# KiCad board ENV_KB.kicad_pcb (continued)
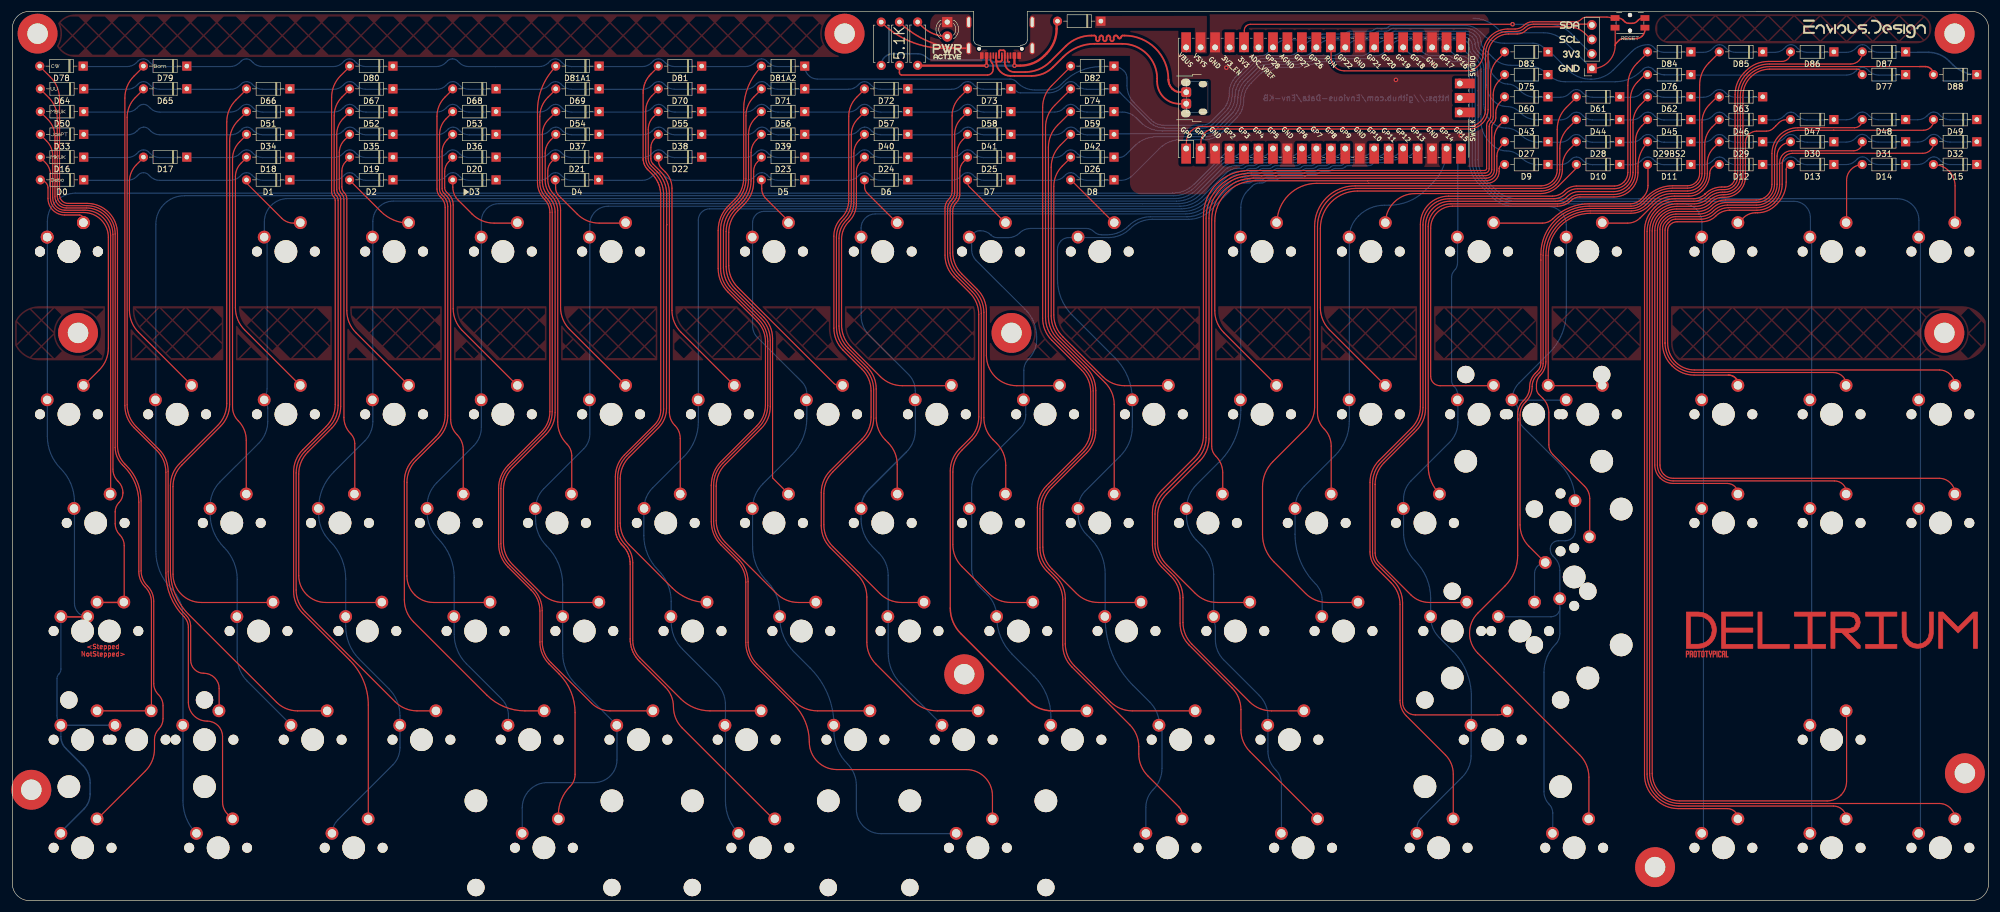
[diagram p0: board, top side]
## Routing (per net, layer and track width the routed paths; a pad name or vN(x,y) marks a point on that pad's centre or on a via; arc(x,y) is an arc through that point) (continued)
row4: length 320.8
  Bottom w0.2: 84.91,138.6 92.55,138.6 arc(93.44,138.78) 94.18,139.27 94.49,139.58 arc(94.9,139.85) 95.38,139.95 arc(95.87,139.85) 96.28,139.58 96.58,139.27 arc(97.33,138.78) 98.21,138.6 110.65,138.6 arc(111.54,138.78) 112.28,139.27 112.59,139.58 arc(113,139.85) 113.48,139.95 arc(113.97,139.85) 114.38,139.58 114.68,139.27 arc(115.43,138.78) 116.31,138.6 128.75,138.6 arc(129.64,138.78) 130.38,139.27 130.69,139.58 arc(131.1,139.85) 131.58,139.95 arc(132.07,139.85) 132.48,139.58 132.78,139.27 arc(133.53,138.78) 134.41,138.6 139.21,138.6 ; 84.96,138.6 80.16,138.6 arc(79.28,138.78) 78.53,139.27 78.23,139.58 arc(77.82,139.85) 77.33,139.95 arc(76.85,139.85) 76.44,139.58 76.13,139.28 arc(75.39,138.78) 74.5,138.6 62.06,138.6 arc(61.18,138.78) 60.43,139.27 60.13,139.58 arc(59.72,139.85) 59.23,139.95 arc(58.75,139.85) 58.34,139.58 58.03,139.27 arc(57.29,138.78) 56.4,138.6 43.96,138.6 arc(43.08,138.78) 42.33,139.27 42.03,139.58 arc(41.62,139.85) 41.13,139.95 arc(40.65,139.85) 40.24,139.58 39.93,139.27 arc(39.19,138.78) 38.3,138.6 25.86,138.6 arc(24.98,138.78) 24.23,139.27 23.93,139.58 arc(23.52,139.85) 23.03,139.95 arc(22.55,139.85) 22.14,139.58 21.83,139.27 arc(21.09,138.78) 20.2,138.6 12.56,138.6 ; 139.16,138.6 146.8,138.6 arc(147.69,138.78) 148.43,139.27 148.74,139.58 arc(149.15,139.85) 149.63,139.95 arc(150.12,139.85) 150.53,139.58 150.83,139.27 arc(151.58,138.78) 152.46,138.6 164.9,138.6 arc(165.79,138.78) 166.53,139.27 166.84,139.58 arc(167.25,139.85) 167.73,139.95 arc(168.22,139.85) 168.63,139.58 168.93,139.27 arc(169.68,138.78) 170.56,138.6 183,138.6 arc(183.89,138.78) 184.63,139.27 184.94,139.58 arc(185.35,139.85) 185.83,139.95 arc(186.32,139.85) 186.73,139.58 187.03,139.27 arc(187.78,138.78) 188.66,138.6 194.88,138.6 arc(196.2,138.34) 197.32,137.59 198.03,136.88 arc(199.79,135.7) 201.87,135.29 209.26,135.29 arc(210.28,135.49) 211.15,136.07 213.43,138.35 arc(214.36,139.74) 214.68,141.38 arc(215.01,143.03) 215.94,144.42 218.46,146.94 arc(219.06,147.34) 219.76,147.48 220.17,147.48 arc(220.5,147.55) 220.78,147.73 arc(221.06,147.92) 221.39,147.99 224.99,147.99 arc(225.32,148.05) 225.61,148.24 arc(225.89,148.43) 226.22,148.5 226.7,148.5 arc(227.48,148.65) 228.14,149.09 229.68,150.63 arc(230.41,151.12) 231.27,151.29 234.14,151.29 arc(234.47,151.36) 234.75,151.54 arc(235.03,151.73) 235.36,151.8 238.96,151.8 arc(239.29,151.86) 239.57,152.05 arc(239.86,152.24) 240.19,152.31 241.5,152.31 arc(241.83,152.37) 242.12,152.56 arc(242.4,152.75) 242.73,152.81 255.19,152.81 arc(256.02,152.65) 256.72,152.18 256.82,152.08 arc(257.21,151.48) 257.36,150.78 arc(257.5,150.08) 257.89,149.48 258.58,148.8 arc(259.18,147.9) 259.39,146.84 arc(259.6,145.78) 260.2,144.89 260.85,144.23 arc(261.63,143.71) 262.56,143.52 arc(263.48,143.34) 264.27,142.82 264.72,142.36 arc(266.01,141.5) 267.53,141.2 271.8,141.2 arc(272.69,141.38) 273.43,141.88 273.74,142.18 arc(274.15,142.45) 274.63,142.55 arc(275.12,142.45) 275.53,142.18 275.83,141.88 arc(276.58,141.38) 277.46,141.2 284.35,141.2 arc(285.24,141.38) 285.98,141.88 286.29,142.18 arc(286.7,142.45) 287.18,142.55 arc(287.67,142.45) 288.08,142.18 288.38,141.88 arc(289.13,141.38) 290.01,141.2 296.9,141.2 arc(297.79,141.38) 298.53,141.88 298.84,142.18 arc(299.25,142.45) 299.73,142.55 arc(300.22,142.45) 300.63,142.18 300.93,141.88 arc(301.68,141.38) 302.56,141.2 307.36,141.2
row5: length 347.9
  Bottom w0.2: 12.56,142.6 20.2,142.6 arc(21.09,142.78) 21.83,143.27 22.14,143.58 arc(22.55,143.85) 23.03,143.95 arc(23.52,143.85) 23.93,143.58 24.23,143.27 arc(24.98,142.78) 25.86,142.6 38.3,142.6 arc(39.19,142.78) 39.93,143.27 40.24,143.58 arc(40.65,143.85) 41.13,143.95 arc(41.62,143.85) 42.03,143.58 42.33,143.27 arc(43.08,142.78) 43.96,142.6 56.4,142.6 arc(57.29,142.78) 58.03,143.27 58.34,143.58 arc(58.75,143.85) 59.23,143.95 arc(59.72,143.85) 60.13,143.58 60.43,143.27 arc(61.18,142.78) 62.06,142.6 74.5,142.6 arc(75.39,142.78) 76.13,143.27 76.44,143.58 arc(76.85,143.85) 77.33,143.95 arc(77.82,143.85) 78.23,143.58 78.53,143.27 arc(79.28,142.78) 80.16,142.6 84.96,142.6 ; 175.36,142.6 170.56,142.6 arc(169.68,142.78) 168.93,143.27 168.63,143.58 arc(168.22,143.85) 167.73,143.95 arc(167.25,143.85) 166.84,143.58 166.53,143.27 arc(165.79,142.78) 164.9,142.6 152.46,142.6 arc(151.58,142.78) 150.83,143.27 150.53,143.58 arc(150.12,143.85) 149.63,143.95 arc(149.15,143.85) 148.74,143.58 148.43,143.28 arc(147.69,142.78) 146.8,142.6 139.16,142.6 ; 84.91,142.6 92.55,142.6 arc(93.44,142.78) 94.18,143.27 94.49,143.58 arc(94.9,143.85) 95.38,143.95 arc(95.87,143.85) 96.28,143.58 96.58,143.27 arc(97.33,142.78) 98.21,142.6 110.65,142.6 arc(111.54,142.78) 112.28,143.28 112.59,143.58 arc(113,143.85) 113.48,143.95 arc(113.97,143.85) 114.38,143.58 114.68,143.27 arc(115.43,142.78) 116.31,142.6 128.75,142.6 arc(129.64,142.78) 130.38,143.27 130.69,143.58 arc(131.1,143.85) 131.58,143.95 arc(132.07,143.85) 132.48,143.58 132.78,143.27 arc(133.53,142.78) 134.41,142.6 139.21,142.6 ; 175.97,142.6 176.28,142.29 arc(176.62,142.06) 177.03,141.98 181.94,141.98 arc(183.23,142.24) 184.32,142.97 184.94,143.58 arc(185.35,143.85) 185.83,143.95 arc(186.32,143.85) 186.73,143.58 187.03,143.27 arc(187.78,142.78) 188.66,142.6 192.4,142.6 ; D74.1 193.35,142.6 192.4,142.6 ; 332.48,145.1 327.69,145.1 arc(326.81,145.28) 326.06,145.77 325.75,146.08 arc(325.34,146.35) 324.86,146.45 arc(324.37,146.35) 323.96,146.08 323.66,145.77 arc(322.91,145.28) 322.03,145.1 294.86,145.1 ; 192.4,142.6 192.64,142.6 arc(193.4,142.45) 194.03,142.03 ; 294.83,145.15 290.04,145.15 arc(289.16,145.33) 288.41,145.82 288.1,146.13 arc(287.69,146.4) 287.21,146.5 arc(286.72,146.4) 286.31,146.13 286.01,145.82 arc(283.91,144.42) 281.43,143.93 272.65,143.93 arc(271.06,144.25) 269.71,145.15 arc(267.85,146.39) 265.66,146.82 263.12,146.82 arc(261.45,147.16) 260.03,148.1 258.4,149.73 arc(258,150.33) 257.86,151.03 arc(257.72,151.74) 257.32,152.34 257.1,152.56 arc(256.26,153.12) 255.26,153.32 242.47,153.32 arc(242.14,153.25) 241.86,153.07 arc(241.58,152.88) 241.25,152.81 239.93,152.81 arc(239.6,152.75) 239.32,152.56 arc(239.04,152.37) 238.71,152.31 235.11,152.31 arc(234.78,152.24) 234.5,152.05 arc(234.21,151.86) 233.88,151.8 230.28,151.8 arc(229.95,151.73) 229.67,151.54 arc(229.39,151.36) 229.06,151.29 228.61,151.29 arc(227.86,151.14) 227.22,150.72 225.74,149.23 arc(224.92,148.69) 223.96,148.5 221.14,148.5 arc(220.81,148.43) 220.52,148.24 arc(220.24,148.05) 219.91,147.99 219.51,147.99 arc(218.81,147.85) 218.21,147.45 215.43,144.67 arc(214.5,143.28) 214.18,141.64 arc(213.85,139.99) 212.92,138.6 210.87,136.55 arc(210.03,135.99) 209.04,135.8 202.31,135.8 arc(200.83,136.09) 199.56,136.93 194.21,142.29 arc(193.86,142.52) 193.46,142.6
  Bottom w0.25: 194.6,141.89 193.81,142.69 D74.1
row6: length 364.3
  Bottom w0.2: 12.51,146.6 20.15,146.6 arc(21.04,146.78) 21.78,147.27 22.09,147.58 arc(22.5,147.85) 22.98,147.95 arc(23.47,147.85) 23.88,147.58 24.18,147.27 arc(24.93,146.78) 25.81,146.6 38.25,146.6 arc(39.14,146.78) 39.88,147.27 40.19,147.58 arc(40.6,147.85) 41.08,147.95 arc(41.57,147.85) 41.98,147.58 42.28,147.27 arc(43.03,146.78) 43.91,146.6 56.35,146.6 arc(57.24,146.78) 57.98,147.27 58.29,147.58 arc(58.7,147.85) 59.18,147.95 arc(59.67,147.85) 60.08,147.58 60.38,147.27 arc(61.13,146.78) 62.01,146.6 74.45,146.6 arc(75.34,146.78) 76.08,147.27 76.39,147.58 arc(76.8,147.85) 77.28,147.95 arc(77.77,147.85) 78.18,147.58 78.48,147.27 arc(79.23,146.78) 80.11,146.6 84.91,146.6 ; 334.55,149.1 332.46,149.1 ; 269.71,149.1 268.91,149.9 arc(268.02,150.49) 266.98,150.7 261.93,150.7 arc(259.89,151.11) 258.16,152.26 257.65,152.77 arc(256.48,153.55) 255.09,153.83 242.22,153.83 arc(241.89,153.76) 241.61,153.57 arc(241.33,153.39) 240.99,153.32 239.68,153.32 arc(239.35,153.25) 239.07,153.07 arc(238.79,152.88) 238.45,152.81 234.85,152.81 arc(234.52,152.75) 234.24,152.56 arc(233.96,152.37) 233.63,152.31 230.03,152.31 arc(229.7,152.24) 229.42,152.05 arc(229.13,151.86) 228.8,151.8 227.74,151.8 arc(227.41,151.73) 227.13,151.54 arc(226.85,151.36) 226.52,151.29 223.65,151.29 arc(222.79,151.12) 222.06,150.63 220.43,149 arc(219.87,148.63) 219.21,148.5 arc(218.55,148.36) 217.99,147.99 214.92,144.93 arc(213.99,143.53) 213.67,141.89 arc(213.34,140.25) 212.41,138.86 210.51,136.95 arc(209.79,136.47) 208.94,136.3 204.76,136.3 arc(204.76,136.3) 204.76,136.3 arc(204.76,136.3) 204.76,136.3 202.15,136.3 arc(200.97,136.54) 199.96,137.21 197.03,140.14 arc(196.05,141.6) 195.71,143.33 195.71,144.58 arc(195.58,145.25) 195.2,145.81 195.08,145.93 arc(194.34,146.43) 193.46,146.6 191.14,146.6 arc(187.61,145.9) 184.62,143.9 184.17,143.45 arc(183.11,142.74) 181.86,142.49 179.53,142.49 arc(177.87,142.82) 176.47,143.76 176.27,143.96 arc(175.78,144.29) 175.21,144.4 141.36,144.4 arc(139.8,145.04) 139.16,146.6 134.36,146.6 arc(133.48,146.78) 132.73,147.27 132.43,147.58 arc(132.02,147.85) 131.53,147.95 arc(131.05,147.85) 130.64,147.58 130.33,147.27 arc(129.59,146.78) 128.7,146.6 116.26,146.6 arc(115.38,146.78) 114.63,147.27 114.33,147.58 arc(113.92,147.85) 113.43,147.95 arc(112.95,147.85) 112.54,147.58 112.23,147.28 arc(111.49,146.78) 110.6,146.6 98.16,146.6 arc(97.28,146.78) 96.53,147.27 96.23,147.58 arc(95.82,147.85) 95.33,147.95 arc(94.85,147.85) 94.44,147.58 94.13,147.27 arc(93.39,146.78) 92.5,146.6 84.86,146.6 ; 332.48,149.1 327.69,149.1 arc(326.81,149.28) 326.06,149.77 325.75,150.08 arc(325.34,150.35) 324.86,150.45 arc(324.37,150.35) 323.96,150.08 323.66,149.78 arc(322.91,149.28) 322.03,149.1 315.14,149.1 arc(314.26,149.28) 313.51,149.77 313.2,150.08 arc(312.79,150.35) 312.31,150.45 arc(311.82,150.35) 311.41,150.08 311.11,149.77 arc(310.36,149.28) 309.48,149.1 302.59,149.1 arc(301.71,149.28) 300.96,149.77 300.65,150.08 arc(300.24,150.35) 299.76,150.45 arc(299.27,150.35) 298.86,150.08 298.56,149.78 arc(297.81,149.28) 296.93,149.1 290.04,149.1 arc(289.16,149.28) 288.41,149.77 288.1,150.08 arc(287.69,150.35) 287.21,150.45 arc(285.68,150.15) 284.39,149.28 281.08,145.97 arc(279.31,144.79) 277.23,144.38 277.06,144.38 arc(274.97,144.79) 273.21,145.97 270.08,149.1
  Bottom w0.25: 334.55,149.1 336.47,149.1 arc(338.38,148.72) 340,147.63 340.7,146.94 arc(342.64,145.64) D88.1
USB2_N: length 53.8
  Top w0.3: 206.16,142.09 205.23,142.09 arc(203.64,142.75) 202.98,144.33 ; USB1.A7 173.25,149.28 arc(173.3,149.41) 173.43,149.46 174.03,149.46 arc(174.19,149.4) 174.25,149.24 USB1.B7 174.25,147.34 arc(174.75,146.14) 175.96,145.63 177.83,145.63 arc(180.21,146.11) 182.23,147.46 184.94,150.17 arc(187.03,151.56) 189.48,152.05 189.98,152.05 arc(190.2,151.96) 190.28,151.75 190.28,151.35 arc(190.37,151.14) 190.58,151.05 arc(190.8,151.14) 190.88,151.35 190.88,151.75 arc(190.97,151.96) 191.18,152.05 191.23,152.05 arc(191.45,151.96) 191.53,151.75 191.53,151.35 arc(191.62,151.14) 191.83,151.05 arc(192.05,151.14) 192.13,151.35 192.13,151.75 arc(192.22,151.96) 192.43,152.05 192.48,152.05 arc(192.7,151.96) 192.78,151.75 192.78,151.35 arc(192.87,151.14) 193.08,151.05 arc(193.3,151.14) 193.38,151.35 193.38,151.75 arc(193.47,151.96) 193.68,152.05 193.85,152.05 arc(194.02,151.98) 194.1,151.8 arc(194.17,151.62) 194.35,151.55 194.45,151.55 arc(194.62,151.62) 194.7,151.8 arc(194.77,151.98) 194.95,152.05 195.27,152.05 arc(200.72,149.79) 202.98,144.33 ; 205.86,142.09 204.99,142.09 arc(204.31,142.23) 203.73,142.61 203.67,142.67 arc(203.16,143.43) 202.98,144.33
USB2_P: length 46.8
  Top w0.3: USB1.A6 173.75,147.75 arc(173.67,147.56) 173.48,147.49 173.01,147.49 arc(172.83,147.56) 172.75,147.74 USB1.B6 172.75,147.48 arc(173.49,145.7) 175.27,144.96 178.98,144.96 arc(181.02,145.36) 182.74,146.52 184.56,148.33 arc(187.07,150.01) 190.03,150.6 194.9,150.6 arc(199.22,148.81) 201.01,144.49 201.01,143.96 arc(202.15,141.2) 204.91,140.06 206.16,140.06
USBVBUS: length 33
  Top w0.4: USB1.A9 v1(171.05,146.76) 159.1,146.76 arc(159.02,146.78) PowerLedResistor0.1 ; USB1.A4 175.95,146.77 v1(175.96,146.76) 176.96,146.76 arc(179.27,147.22) 181.22,148.52 181.55,148.85 arc(182.89,150.85) 183.36,153.21 183.36,154.21 arc(183.4,154.41) D89.2
  Bottom w0.4: v1(171.05,146.76) v1(175.96,146.76)
Net-(D0-Pad2): length 12.3
  Top w0.2: 4.94,126.6 arc(5.87,126.21) 6.26,125.28 6.26,123.43 arc(7.11,121.37) 9.18,120.51 11.76,120.51 arc(12.28,120.29) 12.5,119.77
Net-(D1-Pad2): length 12.2
  Top w0.2: 41.14,126.1 47.3,119.94 arc(48.25,119.3) 49.38,119.08 50.6,119.08
Net-(D2-Pad2): length 13.2
  Top w0.2: 59.24,126.6 64.71,121.12 arc(66.98,119.61) 69.65,119.08
Net-(D3-Pad2): length 15.6
  Top w0.2: 88.7,119.08 84.58,119.08 arc(82.5,119.49) 80.73,120.67 78.28,123.13 arc(77.58,124.17) 77.34,125.4 77.34,126.6
Net-(D4-Pad2): length 15.9
  Top w0.2: 107.75,119.08 103.03,119.08 arc(100.95,119.49) 99.18,120.67 95.96,123.89 arc(95.54,124.53) 95.39,125.28 95.39,126.1
Net-(D5-Pad2): length 8.6
  Top w0.2: 136.32,119.38 132.27,123.43 arc(131.76,124.2) 131.58,125.11 131.58,126.1
Net-(D6-Pad2): length 9.3
  Top w0.2: 149.64,126.1 149.64,125.46 arc(149.76,124.86) 150.09,124.36 155.37,119.08
Net-(D7-Pad2): length 9.8
  Top w0.2: 174.42,119.08 168.03,125.47 arc(167.81,125.8) 167.74,126.18
Net-(D8-Pad2): length 9.9
  Top w0.2: 193.47,119.08 186.45,126.1
Net-(D9-Pad2): length 45.7
  Top w0.2: 261.7,129.35 arc(261.25,129.16) 261.06,128.71 261.07,128.7 261.07,128.18 arc(260.45,126.7) 258.97,126.09 238.17,126.09 238.17,126.08 arc(238.16,126.08) 238.15,126.08 229.04,126.08 arc(224.1,124.03) 222.05,119.08
Net-(D10-Pad2): length 38.2
  Top w0.2: 274.64,128.77 271.46,125.6 arc(270,124.62) 268.28,124.28 246.29,124.28 arc(242.62,122.75) 241.1,119.08
Net-(D11-Pad2): length 33.4
  Top w0.2: 287.19,129.35 287.19,125.7 arc(286.97,124.58) 286.33,123.63 285.93,123.23 arc(285.1,122.68) 284.13,122.48 276.88,122.48 arc(273.42,121.8) 270.48,119.83 arc(269.65,119.28) 268.66,119.08 260.15,119.08
Net-(D12-Pad2): length 25.2
  Top w0.2: 279.2,119.08 283.61,119.08 arc(284.8,119.32) 285.82,120 288.13,122.31 arc(289.81,123.43) 291.79,123.83 294.38,123.83 arc(295.63,124.07) 296.69,124.78 296.85,124.95 arc(297.73,126.25) 298.03,127.8 arc(298.49,128.9) 299.59,129.35
Net-(D13-Pad2): length 15.7
  Top w0.2: 303.01,119.08 303.92,119.99 arc(304.93,120.66) 306.12,120.9 306.42,120.9 arc(308.13,121.24) 309.59,122.22 309.89,122.51 arc(311.05,124.25) 311.46,126.3 311.46,128.52 arc(311.7,129.11) 312.29,129.35
Net-(D14-Pad2): length 11.9
  Top w0.2: 322.06,119.08 322.06,126.57 arc(322.87,128.54) 324.84,129.35
Net-(D15-Pad2): length 12.4
  Top w0.2: 341.11,119.08 341.11,125.63 arc(340.02,128.26) 337.39,129.35
Net-(D16-Pad2): length 49.5
  Top w0.2: 12.5,90.5 15.27,93.27 arc(16.45,95.04) 16.86,97.12 16.86,116.59 arc(15.58,119.67) 12.5,120.95 9.2,120.95 arc(7.42,121.69) 6.68,123.46 6.68,127.62 arc(6.46,128.76) 5.81,129.73 4.94,130.6
Net-(D17-Pad2): length 45.3
  Top w0.2: 23.04,130.6 21.8,129.36 arc(20.88,127.98) 20.56,126.36 20.56,103.75 arc(20.97,101.67) 22.15,99.9 31.55,90.5
Net-(D18-Pad2): length 45.3
  Top w0.2: 50.6,90.5 40.76,100.34 arc(39.58,102.11) 39.17,104.19 39.17,127.24 arc(39.42,128.53) 40.15,129.62 41.14,130.6
Net-(D19-Pad2): length 45.1
  Top w0.2: 69.65,90.5 60.32,99.83 arc(59.14,101.6) 58.73,103.68 58.73,123.35 arc(58.61,123.93) 58.28,124.42 arc(57.97,124.9) 57.86,125.45 57.86,128.24 arc(58.04,129.15) 58.55,129.91 59.24,130.6
Net-(D20-Pad2): length 45.5
  Top w0.2: 88.7,90.5 79,100.2 arc(77.82,101.97) 77.41,104.05 77.41,122.29 arc(77.21,123.27) 76.66,124.1 76.25,124.51 arc(76,124.89) 75.91,125.34 75.91,128.16 arc(76.09,129.09) 76.62,129.88 77.34,130.6
Net-(D21-Pad2): length 45.7
  Top w0.2: 107.75,90.5 97.85,100.4 arc(96.67,102.17) 96.26,104.25 96.26,121.36 arc(95.97,122.83) 95.13,124.08 arc(94.3,125.32) 94.01,126.79 94.01,128.24 arc(94.19,129.15) 94.7,129.91 95.39,130.6
Net-(D22-Pad2): length 44.5
  Top w0.2: 126.8,90.5 117.41,99.89 arc(116.23,101.66) 115.82,103.74 115.82,125.23 arc(115.51,126.76) 114.65,128.06 113.96,128.75 arc(113.6,129.28) 113.48,129.91
Net-(D23-Pad2): length 50
  Top w0.2: 131.57,130.6 130.86,129.89 arc(130.34,129.11) 130.16,128.19 130.16,126.3 arc(129.74,124.22) 128.56,122.46 127.38,121.27 arc(126.2,119.5) 125.78,117.42 125.78,111.63 arc(126.2,109.55) 127.38,107.79 144.24,90.93 arc(144.7,90.61) 145.25,90.5
Net-(D24-Pad2): length 55.2
  Top w0.2: 149.64,130.6 148.92,129.88 arc(148.39,129.09) 148.21,128.16 148.21,122.55 arc(147.87,120.84) 146.9,119.39 arc(145.93,117.95) 145.59,116.24 145.59,101.18 arc(146.01,99.09) 147.19,97.33 152.42,92.1 arc(154.18,90.92) 156.27,90.5 164.9,90.5
Net-(D25-Pad2): length 53.5
  Top w0.2: 167.74,130.6 167.05,129.91 arc(166.54,129.15) 166.36,128.24 166.36,124.18 arc(166.2,123.37) 165.73,122.67 arc(165.27,121.98) 165.11,121.17 165.11,114 arc(165.52,111.92) 166.7,110.16 169.44,107.42 arc(170.62,105.65) 171.03,103.57 171.03,95.84 arc(172.59,92.07) 176.36,90.5 183.95,90.5
Net-(D26-Pad2): length 54.8
  Top w0.2: 185.84,130.6 184.35,129.11 arc(183.25,127.46) 182.86,125.51 182.86,102.95 arc(183.27,100.87) 184.45,99.1 191.45,92.1 arc(193.22,90.92) 195.3,90.5 203,90.5
Net-(D27-Pad2): length 93.3
  Top w0.2: 262.09,133.3 261.37,132.59 arc(260.84,131.79) 260.66,130.86 260.66,128.37 arc(260.12,127.07) 258.82,126.54 237.99,126.54 arc(237.98,126.53) 237.98,126.53 arc(237.97,126.53) 237.97,126.53 218.21,126.53 arc(213.2,124.45) 211.13,119.44 211.13,103.68 arc(211.54,101.6) 212.72,99.83 222.05,90.5
Net-(D28-Pad2): length 86.2
  Top w0.2: 274.64,133.3 273.4,132.06 arc(272.48,130.69) 272.16,129.07 272.16,128.48 arc(271.87,127.05) 271.06,125.83 arc(269.84,125.01) 268.4,124.73 236.22,124.73 arc(231.59,122.81) 229.67,118.18 229.67,104.19 arc(230.08,102.11) 231.26,100.34 241.1,90.5
Net-(D29-Pad2): length 73.9
  Top w0.2: 279.19,90.5 269.67,90.5 269.67,113.38 arc(271.85,118.63) 277.11,120.81 284.16,120.81 arc(285.87,121.15) 287.32,122.12 288.08,122.88 arc(289.62,123.91) 291.44,124.28 294.31,124.28 arc(295.45,124.5) 296.42,125.15 296.58,125.31 arc(297.34,126.45) 297.61,127.8 297.61,129.66 arc(297.88,131.06) 298.67,132.24 299.74,133.3
Net-(D29BS2-Pad2): length 85.4
  Top w0.2: 260.14,90.5 250.69,90.5 arc(249.52,90.99) 249.03,92.16 249.03,118.2 arc(250.16,120.93) 252.89,122.06 271.3,122.06 arc(272.58,122.31) 273.66,123.03 arc(274.38,123.52) 275.23,123.69 281.21,123.69 arc(284.19,124.92) 285.43,127.91 285.43,129.06 arc(285.89,131.36) 287.19,133.3
Net-(D30-Pad2): length 72.2
  Top w0.2: 303.01,91.45 302.55,91.91 arc(302.03,92.25) 301.43,92.37 301.3,92.37 ; 301.3,92.37 295.3,92.37 arc(293.22,92.79) 291.45,93.97 291.34,94.08 arc(290.16,95.85) 289.74,97.93 289.74,118 arc(289.88,118.7) 290.27,119.28 290.62,119.63 arc(291.28,120.07) 292.05,120.22 296.27,120.22 arc(297.59,120.49) 298.71,121.24 arc(299.83,121.99) 301.16,122.25 306.2,122.25 arc(307.6,122.53) 308.79,123.32 arc(309.58,124.51) 309.86,125.9 309.86,130.87 arc(310.57,132.59) 312.29,133.3 ; 301.3,92.37 arc(302.51,91.87) 303.01,90.66
Net-(D31-Pad2): length 100.5
  Top w0.2: 322.06,90.5 arc(321.38,92.14) 319.74,92.82 295.38,92.82 arc(293.39,93.22) 291.71,94.34 arc(290.59,96.02) 290.19,98.01 arc(290.19,98.01) 290.19,98.01 290.19,117.84 arc(290.33,118.51) 290.7,119.08 290.96,119.34 arc(290.97,119.34) 290.97,119.34 arc(291.45,119.66) 292.02,119.77 296.45,119.77 arc(297.78,120.04) 298.9,120.79 arc(300.02,121.54) 301.34,121.8 306.2,121.8 arc(307.77,122.11) 309.11,123 arc(310,124.33) 310.31,125.9 310.31,129.71 arc(310.92,131.19) 312.39,131.8 323.34,131.8 arc(324.4,132.24) 324.84,133.3
Net-(D32-Pad2): length 131.1
  Top w0.2: 341.11,90.5 arc(340.3,92.46) 338.34,93.27 295.38,93.27 arc(293.57,93.63) 292.03,94.66 arc(291,96.2) 290.64,98.01 290.64,117.77 arc(290.75,118.33) 291.07,118.81 arc(291.64,119.19) 292.32,119.32 296.67,119.32 arc(297.99,119.59) 299.12,120.34 arc(300.24,121.09) 301.56,121.35 301.56,121.35 306.31,121.35 arc(307.95,121.68) 309.35,122.61 309.42,122.68 arc(310.41,124.16) 310.76,125.9 310.76,129.54 arc(311.29,130.82) 312.57,131.35 335.44,131.35 arc(336.82,131.92) 337.39,133.3
Net-(D33-Pad2): length 71.2
  Top w0.2: 4.94,134.6 6.01,133.53 arc(6.81,132.34) 7.08,130.94 7.08,123.52 arc(7.72,121.99) 9.25,121.35 12.76,121.35 arc(15.94,120.03) 17.26,116.85 17.26,71.45
Net-(D34-Pad2): length 64.6
  Top w0.2: 41.14,134.6 39.9,133.36 arc(38.98,131.99) 38.66,130.37 38.66,86.75 arc(38.92,85.45) 39.65,84.35 arc(40.7,82.78) 41.07,80.93 41.07,71.45
Net-(D35-Pad2): length 64.5
  Top w0.2: 60.12,71.45 60.12,80.35 arc(59.94,81.28) 59.41,82.07 arc(58.53,83.39) 58.22,84.95 58.22,123.28 arc(58.11,123.81) 57.81,124.26 arc(57.51,124.71) 57.41,125.24 57.41,131.48 arc(57.65,132.67) 58.32,133.68 59.24,134.6
Net-(D36-Pad2): length 64.8
  Top w0.2: 79.17,71.45 79.17,79.24 arc(78.89,80.69) 78.07,81.91 arc(77.25,83.14) 76.96,84.59 76.96,122.1 arc(76.76,123.08) 76.21,123.91 75.8,124.32 arc(75.55,124.7) 75.46,125.15 75.46,131.61 arc(75.69,132.76) 76.33,133.72 77.21,134.6
Net-(D37-Pad2): length 65
  Top w0.2: 98.22,71.45 98.22,78.18 arc(98,79.31) 97.36,80.28 arc(96.17,82.04) 95.76,84.13 95.76,121.26 arc(95.47,122.7) 94.66,123.91 arc(93.84,125.13) 93.56,126.57 93.56,131.39 arc(93.8,132.62) 94.5,133.66 95.44,134.6
Net-(D38-Pad2): length 65.2
  Top w0.2: 117.27,71.45 117.27,81.24 arc(117.03,82.48) 116.32,83.53 arc(115.62,84.59) 115.37,85.83 115.37,124.34 arc(114.95,126.42) 113.78,128.18 112.52,129.44 arc(112.21,129.89) 112.11,130.43 112.11,132.33 arc(112.28,133.2) 112.77,133.94 113.44,134.6
Net-(D39-Pad2): length 69.2
  Top w0.2: 131.54,134.6 130.62,133.68 arc(129.95,132.67) 129.71,131.48 129.71,126.49 arc(129.29,124.41) 128.11,122.64 126.93,121.46 arc(125.75,119.69) 125.33,117.61 125.33,111.4 arc(125.75,109.32) 126.93,107.55 131.96,102.52 arc(133.09,100.83) 133.48,98.85 133.48,74.3 136.32,71.45
Net-(D40-Pad2): length 67.8
  Top w0.2: 155.37,71.45 155.37,76.63 arc(154.96,78.71) 153.78,80.48 153.28,80.98 arc(152.1,82.75) 151.68,84.83 151.68,89.94 arc(151.27,92.03) 150.09,93.79 146.74,97.14 arc(145.56,98.91) 145.14,100.99 145.14,116.43 arc(145.48,118.13) 146.45,119.58 arc(147.42,121.03) 147.76,122.73 147.76,131.39 arc(148,132.62) 148.7,133.66 149.64,134.6
Net-(D41-Pad2): length 67.2
  Top w0.2: 174.42,71.45 174.42,76.53 arc(174.01,78.61) 172.83,80.38 172.18,81.03 arc(171,82.8) 170.58,84.88 170.58,103.38 arc(170.17,105.47) 168.99,107.23 166.25,109.97 arc(165.07,111.74) 164.66,113.82 164.66,121.35 arc(164.82,122.17) 165.28,122.86 arc(165.75,123.55) 165.91,124.37 165.91,131.48 arc(166.15,132.67) 166.82,133.68 167.74,134.6
Net-(D42-Pad2): length 68.4
  Top w0.2: 193.47,71.45 193.47,87.19 arc(193.06,89.27) 191.88,91.04 184,98.92 arc(182.82,100.68) 182.41,102.76 182.41,128.92 arc(182.82,131) 184,132.76 185.84,134.6
Net-(D43-Pad2): length 112.8
  Top w0.2: 262.09,137.25 261.15,136.31 arc(260.45,135.27) 260.21,134.04 260.21,128.41 arc(259.79,127.4) 258.78,126.99 217.95,126.99 arc(212.74,124.83) 210.58,119.62 210.58,79.88 arc(210.77,78.93) 211.31,78.12 arc(212.21,76.78) 212.52,75.19 212.52,71.45
Net-(D44-Pad2): length 105.7
  Top w0.2: 274.64,137.25 273.17,135.79 arc(272.09,134.16) 271.71,132.25 271.71,128.48 arc(271.46,127.22) 270.74,126.15 arc(269.68,125.44) 268.42,125.18 235.89,125.18 arc(231.13,123.21) 229.16,118.45 229.16,85.7 arc(229.46,84.21) 230.3,82.95 arc(231.24,81.54) 231.57,79.88 231.57,71.45
Net-(D45-Pad2): length 98.9
  Top w0.2: 287.19,137.25 286.1,136.16 arc(285.29,134.95) 285.01,133.53 285.01,128.02 arc(284.71,126.52) 283.86,125.26 arc(282.6,124.41) 281.1,124.11 275.28,124.11 arc(274.21,123.9) 273.3,123.29 arc(272.39,122.69) 271.33,122.48 252.59,122.48 arc(249.77,121.31) 248.61,118.49 248.61,76.32 arc(249.13,73.69) 250.62,71.45
Net-(D46-Pad2): length 98.9
  Top w0.2: 299.74,137.25 298.45,135.96 arc(297.49,134.53) 297.16,132.85 297.16,127.79 arc(296.93,126.62) 296.26,125.63 arc(295.27,124.97) 294.1,124.73 291.33,124.73 arc(289.42,124.35) 287.79,123.27 286.8,122.28 arc(285.65,121.51) 284.28,121.23 277.08,121.23 arc(271.55,118.94) 269.26,113.41 269.26,94.69 arc(269,93.41) 268.28,92.33 arc(267.78,91.59) 267.61,90.71 267.61,90.03 arc(267.72,89.46) 268.05,88.97 268.72,88.3 arc(269.51,87.12) 269.78,85.73 269.78,80.1 arc(269.96,79.19) 270.48,78.41 276.06,72.83 arc(276.73,71.83) 276.96,70.66 276.96,63.86